# Altium PCB IIS_PCB.PcbDoc (part 1 of 3) (continued)
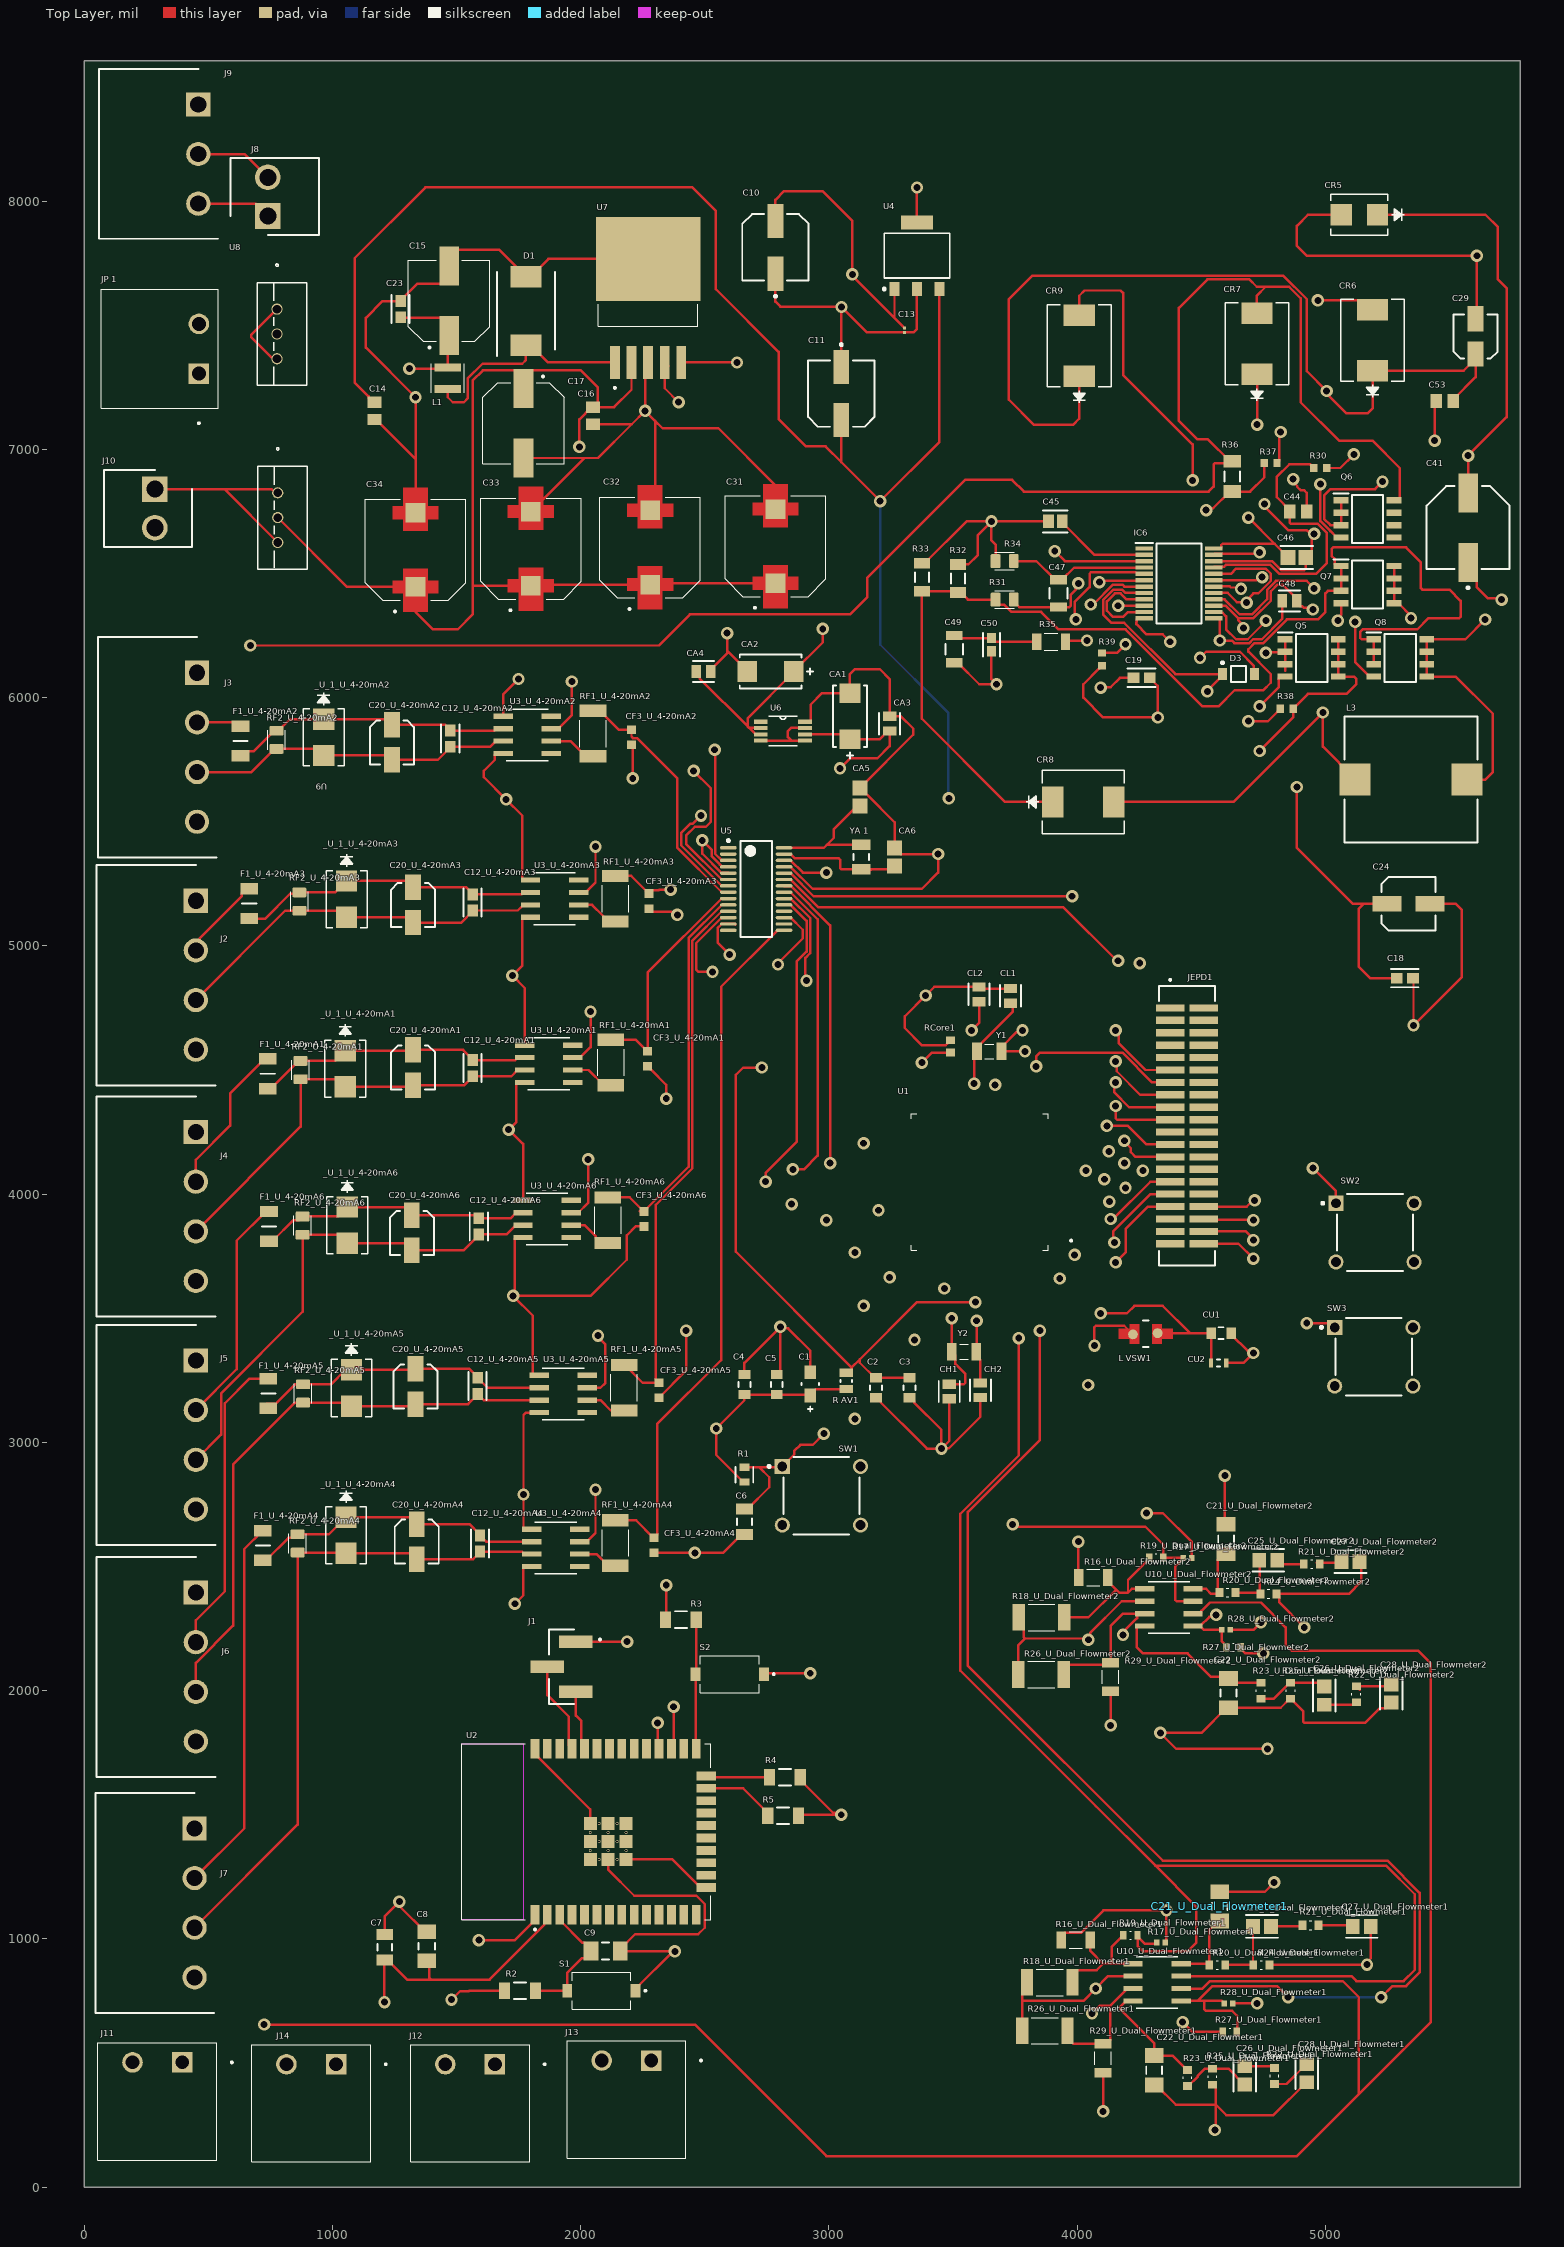
[diagram p0: Top Layer view]
## Components (designator, comment, footprint, x,y, rotation, side; value= is the part's Value field where it differs from the comment) (continued)
CH2 "C0805C220J1GACTU" FP-C0805C-DN-MFG 3610,3210 r90 top value="22 pF"
CL1 "C0805C220J1GACTU" FP-C0805C-DN-MFG 3731.83,4798.52 r270 top value="22 pF"
CL2 "C0805C220J1GACTU" FP-C0805C-DN-MFG 3605,4805 r270 top value="22 pF"
CR5 "1KSMB39CA" 1KSMBSeries_LTF 5137,7945 r180 top
CR6 "SS34-E3/9AT" CR_3/9AT_VIS 5190,7440 r90 top
CR7 "SS34-E3/9AT" CR_3/9AT_VIS 4724.33,7425 r90 top
CR8 "SS34-E3/9AT" CR_3/9AT_VIS 4024.56,5580 r0 top
CR9 "SS34-E3/9AT" CR_3/9AT_VIS 4008.66,7417 r90 top
CU1 "CGA3E2X7R1H104K080AA" FP-CGA3E-0_3-0_1-IPC_A 4580,3440 r0 top
CU2 "TPCL475K010R5000" CAPC1609X100X15LL20 4570,3320 r180 top
D1 "SS34-E3_57T" DIOM7959X262N 1780,7557.8 r90 top
D3 "MMSZ4689T1G" ONSC-SOD-123-2-425-04_V 4650,6095 r0 top
F1_U_4-20mA1 "0ZCJ0005FF2E" FUSC3216X85N 740,4485 r270 top (schematic designator F1)
F1_U_4-20mA2 "0ZCJ0005FF2E" FUSC3216X85N 630,5825 r270 top (schematic designator F1)
F1_U_4-20mA3 "0ZCJ0005FF2E" FUSC3216X85N 665,5170 r270 top (schematic designator F1)
F1_U_4-20mA4 "0ZCJ0005FF2E" FUSC3216X85N 720,2585 r270 top (schematic designator F1)
F1_U_4-20mA5 "0ZCJ0005FF2E" FUSC3216X85N 742.08,3196.99 r270 top (schematic designator F1)
F1_U_4-20mA6 "0ZCJ0005FF2E" FUSC3216X85N 745,3870.16 r270 top (schematic designator F1)
IC6 "LTC3780EG#PBF" SOP65P780X200-24N 4410,6460 r0 top
J1 "TSM-103-01-T-SV-P-TR" SAMTEC_TSM-103-01-T-SV-P-TR 1923.37,2096.26 r90 top
J2 "1757268" SHDRRA4W103P0X508_1X4_2232X1200X875P 450,5181.72 r90 top
J3 "1757268" SHDRRA4W103P0X508_1X4_2232X1200X875P 455,6100 r90 top
J4 "1757268" SHDRRA4W103P0X508_1X4_2232X1200X875P 450,4250 r90 top
J5 "1757268" SHDRRA4W103P0X508_1X4_2232X1200X875P 450,3330 r90 top
J6 "1757268" SHDRRA4W103P0X508_1X4_2232X1200X875P 450,2395 r90 top
J7 "1757268" SHDRRA4W103P0X508_1X4_2232X1200X875P 445,1445 r90 top
J8 "26-48-1025" SHDR2W155P0X396_1X2_732X902X1468P 740,7940 r270 top
J9 "1757255" SHDRRA3W103P0X508_1X3_1724X1200X875P 460,8389.68 r90 top
J10 "26-48-1025" SHDR2W155P0X396_1X2_732X902X1468P 285,6840 r90 top
J11 "1757242" PHOENIX_1757242 295,345 r180 top
J12 "1757242" PHOENIX_1757242 1555,337.52 r180 top
J13 "1757242" PHOENIX_1757242 2185,352.52 r180 top
J14 "1757242" PHOENIX_1757242 915,337.52 r180 top
JEPD1 "TFM-120-02-L-D" SAMTEC_TFM-120-02-L-D 4442.48,4275 r270 top
"JP 1" "1757242" PHOENIX_1757242 305,7405.38 r90 top
L1 "LQH3NPH101MMEL" IND_LQH3NPH101MMEL 1465,7286.69 r90 top
L3 "IHLP5050CEER4R7M01" FP-IHLP-5050CE-FP_3_175x3-MFG 5345,5670 r0 top
"L VSW1" "LQH32MN4R7K23L" FP-LQH32CH_23-MFG 4276.67,3437.46 r0 top
Q5 "FDS5670" SOIC127P600X175-8N 4945,6160 r0 top
Q6 "FDS5670" SOIC127P600X175-8N 5170,6720 r0 top
Q7 "FDS5670" SOIC127P600X175-8N 5170,6455 r0 top
Q8 "FDS5670" SOIC127P600X175-8N 5301.77,6160 r0 top
R1 "CRCW060347K0FKEA" FP-CRCW0603-e3-MFG 2660,2870 r270 top
R2 "RP73D2B10KBTG" FP-RP732B-MFG 1755.85,791.26 r180 top value=10KΩ
R3 "RP73D2B10KBTG" FP-RP732B-MFG 2403.84,2286.26 r180 top value=10KΩ
R4 "RP73D2B10KBTG" FP-RP732B-MFG 2822.85,1651.26 r0 top value=10KΩ
R5 "RP73D2B10KBTG" FP-RP732B-MFG 2815.85,1496.26 r0 top value=10KΩ
R16_U_Dual_Flowmeter1 "RC1206JR-07100KL" RESC3116X65N 3995,995 r0 top (schematic designator R16)
R16_U_Dual_Flowmeter2 "RC1206JR-07100KL" RESC3116X65N 4065,2455 r0 top (schematic designator R16)
R17_U_Dual_Flowmeter1 "RC0402FR-073K3P" RESC1005X40N 4337.99,985 r180 top (schematic designator R17)
R17_U_Dual_Flowmeter2 "RC0402FR-073K3P" RESC1005X40N 4445,2535 r180 top (schematic designator R17)
R18_U_Dual_Flowmeter1 "CRS2010AFX-1001ELF" RESC5025X70N 3890,825 r0 top (schematic designator R18)
R18_U_Dual_Flowmeter2 "CRS2010AFX-1001ELF" RESC5025X70N 3856.54,2295 r0 top (schematic designator R18)
R19_U_Dual_Flowmeter1 "ERJS03F1004V" RES_ERJS03F1004V 4215,1015 r0 top (schematic designator R19)
R19_U_Dual_Flowmeter2 "ERJS03F1004V" RES_ERJS03F1004V 4318.54,2535 r0 top (schematic designator R19)
R20_U_Dual_Flowmeter1 "CR0603-JW-512ELF" RESC1608X55N 4565,895 r0 top (schematic designator R20)
R20_U_Dual_Flowmeter2 "CR0603-JW-512ELF" RESC1608X55N 4605.71,2395 r0 top (schematic designator R20)
R21_U_Dual_Flowmeter1 "RT0603DRE072K21L" RESC1608X55N 4940,1055 r0 top (schematic designator R21)
R21_U_Dual_Flowmeter2 "RT0603DRE072K21L" RESC1608X55N 4945,2510 r0 top (schematic designator R21)
R22_U_Dual_Flowmeter1 "RT0603DRE072K21L" RESC1608X55N 4795,447.72 r90 top (schematic designator R22)
R22_U_Dual_Flowmeter2 "RT0603DRE072K21L" RESC1608X55N 5125,1985 r270 top (schematic designator R22)
R23_U_Dual_Flowmeter1 "CR0603-JW-512ELF" RESC1608X55N 4445,440 r90 top (schematic designator R23)
R23_U_Dual_Flowmeter2 "CR0603-JW-512ELF" RESC1608X55N 4740,2000 r90 top (schematic designator R23)
R24_U_Dual_Flowmeter1 "CR0603-JW-512ELF" RESC1608X55N 4742.28,895 r0 top (schematic designator R24)
R24_U_Dual_Flowmeter2 "CR0603-JW-512ELF" RESC1608X55N 4770.71,2390 r0 top (schematic designator R24)
R25_U_Dual_Flowmeter1 "CR0603-JW-512ELF" RESC1608X55N 4545,445 r270 top (schematic designator R25)
R25_U_Dual_Flowmeter2 "CR0603-JW-512ELF" RESC1608X55N 4860,2000 r270 top (schematic designator R25)
R26_U_Dual_Flowmeter1 "CRS2010AFX-1001ELF" RESC5025X70N 3870,630 r180 top (schematic designator R26)
R26_U_Dual_Flowmeter2 "CRS2010AFX-1001ELF" RESC5025X70N 3855,2065 r180 top (schematic designator R26)
R27_U_Dual_Flowmeter1 "ERJS03F1004V" RES_ERJS03F1004V 4615,625 r180 top (schematic designator R27)
R27_U_Dual_Flowmeter2 "ERJS03F1004V" RES_ERJS03F1004V 4630,2175 r0 top (schematic designator R27)
R28_U_Dual_Flowmeter1 "RC0402FR-073K3P" RESC1005X40N 4610,740 r180 top (schematic designator R28)
R28_U_Dual_Flowmeter2 "RC0402FR-073K3P" RESC1005X40N 4600,2245 r180 top (schematic designator R28)
R29_U_Dual_Flowmeter1 "RC1206JR-07100KL" RESC3116X65N 4105,520 r90 top (schematic designator R29)
R29_U_Dual_Flowmeter2 "RC1206JR-07100KL" RESC3116X65N 4135,2055 r90 top (schematic designator R29)
R30 "ERJ3EKF1002V" RESC1609X55X30LL15T15 4979.41,6925 r180 top
R31 "CRGS0805J100R" RESC2012X65N 3708.19,6395 r0 top
R32 "ERJ8BWFR018V" RESC3216X70X50NL05T20 3520,6480 r90 top
R33 "ERJ8BWFR018V" RESC3216X70X50NL05T20 3375,6485 r90 top
R34 "CRGS0805J100R" RESC2012X65N 3708.19,6550 r0 top
R35 "RC1206JR-07100KL" RESC3116X65N 3895,6225 r180 top
R36 "CRCW1206294KFKEA" RESC3216X60X45ML10T20 4625,6891.02 r90 top
R37 "ERJ3EKF1002V" RESC1609X55X30LL15T15 4779.41,6945 r180 top
R38 "ERJ3EKF1002V" RESC1609X55X30LL15T15 4844.41,5955 r180 top
R39 "ERJ3EKF1002V" RESC1609X55X30LL15T15 4100,6154.41 r270 top
"R AV1" "CRCW08050000Z0EA" RESC2013X50X30LL20T20 3070,3247.48 r270 top
RCore1 "CRCW060391K0FKEA" RESC1609X50X30NL10T20 3490,4595 r270 top
RF1_U_4-20mA1 "CRS2010AFX-1001ELF" RESC5025X70N 2122.08,4530 r90 top (schematic designator RF1)
RF1_U_4-20mA2 "CRS2010AFX-1001ELF" RESC5025X70N 2050,5855 r90 top (schematic designator RF1)
RF1_U_4-20mA3 "CRS2010AFX-1001ELF" RESC5025X70N 2140,5190 r90 top (schematic designator RF1)
RF1_U_4-20mA4 "CRS2010AFX-1001ELF" RESC5025X70N 2140,2595 r90 top (schematic designator RF1)
RF1_U_4-20mA5 "CRS2010AFX-1001ELF" RESC5025X70N 2175,3220 r90 top (schematic designator RF1)
RF1_U_4-20mA6 "CRS2010AFX-1001ELF" RESC5025X70N 2110,3895 r90 top (schematic designator RF1)
RF2_U_4-20mA1 "CRGS0805J100R" RESC2012X65N 872.08,4500 r270 top (schematic designator RF2)
RF2_U_4-20mA2 "CRGS0805J100R" RESC2012X65N 775,5830 r270 top (schematic designator RF2)
RF2_U_4-20mA3 "CRGS0805J100R" RESC2012X65N 867.08,5178.49 r270 top (schematic designator RF2)
RF2_U_4-20mA4 "CRGS0805J100R" RESC2012X65N 860,2593.19 r270 top (schematic designator RF2)
RF2_U_4-20mA5 "CRGS0805J100R" RESC2012X65N 882.08,3196.99 r270 top (schematic designator RF2)
RF2_U_4-20mA6 "CRGS0805J100R" RESC2012X65N 880,3873.19 r270 top (schematic designator RF2)
S1 "ATS2D3G_NC_LFG" SW_ATS2D3G_NC_LFG 2083.64,791.26 r180 top
S2 "ATS2D3G_NC_LFG" SW_ATS2D3G_NC_LFG 2600.85,2066.26 r180 top
SW1 "ESE-20C421" FP-ESE-20C421-MFG 2970,2785 r0 top
SW2 "ESE-20C421" FP-ESE-20C421-MFG 5200,3845 r0 top
SW3 "ESE-20C421" FP-ESE-20C421-MFG 5195,3345 r0 top
U1 "MSP432P401RIPZR" QFP50P1600X1600X160-100N 3608.03,4048.74 r180 top
U2 "ESP32-WROOM-32D" MODULE_ESP32-WROOM-32D 2022.93,1431.61 r90 top
U3_U_4-20mA1 "LT1990ACS8PBF" SO-8_S 1872.08,4525 r0 top (schematic designator U3)
U3_U_4-20mA2 "LT1990ACS8PBF" SO-8_S 1785,5850 r0 top (schematic designator U3)
U3_U_4-20mA3 "LT1990ACS8PBF" SO-8_S 1895,5190 r0 top (schematic designator U3)
U3_U_4-20mA4 "LT1990ACS8PBF" SO-8_S 1900,2575 r0 top (schematic designator U3)
U3_U_4-20mA5 "LT1990ACS8PBF" SO-8_S 1930,3195 r0 top (schematic designator U3)
U3_U_4-20mA6 "LT1990ACS8PBF" SO-8_S 1865,3900 r0 top (schematic designator U3)
U4 "LT1121CST-3.3#TRPBF" LT-ST-3-SOT-223_N 3355,7780 r90 top
U5 "AD7718BRUZ" RU-28_N 2707.2,5228.98 r0 top
U6 "LTC6652AHMS8-2.5PBF" SOP65P490X110-8N 2815,5865 r0 top
U7 "LM2595S-5.0" VREG_TPS79625KTTR 2271.93,7767.32 r90 top
U8 "VF30100S-M3/4W" TO_0S-M3/4W_VIS 777.18,7565 r270 top
U9 "VF30100S-M3/4W" TO_0S-M3/4W_VIS 780,6825 r270 top
U10_U_Dual_Flowmeter1 "LT1017IS8PBF" SO-8_S 4322,825 r0 top (schematic designator U10)
U10_U_Dual_Flowmeter2 "LT1017IS8PBF" SO-8_S 4370,2335 r0 top (schematic designator U10)
Y1 "ABS07-120-32.768KHZ-T" XTAL_ABS07-120-32.768KHZ-T 3645.79,4575 r180 top
Y2 "ABS07-120-32.768KHZ-T" XTAL_ABS07-120-32.768KHZ-T 3544.21,3365 r180 top
"YA 1" "ABS07-32.768KHz-T" FP-ABS07-MFG 3130,5357.83 r270 top

## Footprints (in the part's own frame and the unit in brackets; to place one, negate y for a bottom-side part, rotate by r counter-clockwise, add the part's x,y. Pads: shape width x height; smd on the part's side, far side on the other; paste and mask are expansions set on the pad)
1KSMBSeries_LTF [mil]
  rect 86x86 smd paste+0 mask+0: 1(-73,0) 2(73,0)
  silkscreen extent -180,-82 115,83, body extent -110,-77 110,77, height 98
CAP_EEEFT1E102UV [mm]
  rect 2x2 smd paste-2 mask+0: 1(-3.8,0) 2(3.8,0)
  Top Layer region: -3.15,1.25 -1.95,1.25 -1.95,-1.25 -3.15,-1.25 -3.15,-2.35 -4.45,-2.35 -4.45,-1.25 -6.35,-1.25 -6.35,1.25 -4.45,1.25 -4.45,2.35 -3.15,2.35
  Top Layer region: 4.45,1.25 6.35,1.25 6.35,-1.25 4.45,-1.25 4.45,-2.35 3.15,-2.35 3.15,-1.25 1.95,-1.25 1.95,1.25 3.15,1.25 3.15,2.35 4.45,2.35
  silkscreen extent -6.4,-5.15 5.15,5.15, body extent -5.85,-5.15 5.85,5.15, height 9.5
CAP_EEEHA1V470AP [mm]
  rect 4x2 smd: 1(-3.55,0) 2(3.55,0)
  silkscreen extent -4.9,-4.15 4.15,4.15, body extent -4.85,-4.15 4.85,4.15, height 10.2
CAPC0402X22N [mm]
  rect 0.29x0.3 smd: 1(-0.222,0) 2(0.222,0)
  body extent -0.2,-0.1 0.2,0.1, height 0.22
CAPC1608X90N [mm]
  rect 0.89x0.93 smd: 1(-0.77,0) 2(0.77,0)
  body extent -0.8,-0.4 0.8,0.4, height 0.9
CAPC1609X100X15LL20 [mm] "Chip Capacitor, 2-Leads, Body 1.60x0.85mm, IPC High Density"
  rect 0.45x0.95 smd: 1(-0.775,0) 2(0.775,0)
  silkscreen extent -0.15,-0.38 0.15,0.38, body extent -0.9,-0.53 0.9,0.53, height 1
CAPC2012X88N [mm]
  rect 1.16x1.47 smd: 1(-0.875,0) 2(0.875,0)
  body extent -1,-0.63 1,0.63, height 0.88
CAPC2013X71X50ML20T25 [mm] "Chip Capacitor, 2-Leads, Body 2.01x1.25mm, IPC Low Density"
  rect 1.55x1.55 smd: 1(-0.925,0) 2(0.925,0)
  body extent -1.1,-0.72 1.11,0.72, height 0.71
CAPC3216X102X50LL20T25 [mm] "Chip Capacitor, 2-Leads, Body 3.20x1.60mm, IPC High Density"
  rect 1.1x1.7 smd: 1(-1.3,0) 2(1.3,0)
  silkscreen extent -0.35,-0.75 0.35,0.75, body extent -1.7,-0.9 1.7,0.9, height 1.02
CAPC3216X229X50LL20T25 [mm] "Chip Capacitor, 2-Leads, Body 3.40x1.80mm, IPC High Density"
  rect 1.1x1.7 smd: 1(-1.3,0) 2(1.3,0)
  silkscreen extent -0.35,-0.75 0.35,0.75, body extent -1.7,-0.9 1.7,0.9, height 2.29
CR_3/9AT_VIS [mil]
  rect 86x126 smd paste+0 mask+0: 1(-123,0) 2(123,0)
  silkscreen extent -230,-128 165,128, body extent -160,-123 160,123, height 105
DIOM7959X262N [mm]
  rect 2.2x3.15 smd: 1(-3.5,0) 2(3.5,0)
  silkscreen extent -4.6,-2.95 3.97,2.95, body extent -3.97,-2.95 3.97,2.95, height 2.62
FP-ABS07-MFG [mm]
  rect 1.1x1.9 smd paste+0 mask+0: 1(-1.25,0) 2(1.25,0)
  silkscreen extent -0.33,-0.8 0.33,0.8, body extent -1.9,-1.05 1.9,1.05, height 0.25
FP-C0603C-CF-IPC_A [mil]
  rect 47.5x41.66 smd paste+0 mask+0: 1(-32.51,0) 2(32.51,0)
  silkscreen extent -56,-37 56,37, body extent -76,-41 76,41, height 10
FP-C0805C-DN-IPC_A [mil]
  rect 59.24x61.27 smd paste+0 mask+0: 1(-35.46,0) 2(35.46,0)
  silkscreen extent -65,-46 65,46, body extent -85,-50 85,50, height 10
FP-C0805C-DN-MFG [mm]
  rect 0.95x1.35 smd paste+0 mask+0: 1(-0.75,0) 2(0.75,0)
  silkscreen extent -1.1,-1.07 1.1,1.07, body extent -1.4,-0.85 1.4,0.85, height 0.25
FP-C1206C-EB-IPC_A [mil]
  rect 59.24x75.05 smd paste+0 mask+0: 1(-59.09,0) 2(59.09,0)
  silkscreen extent -15,-31 15,31, body extent -108,-57 108,57, height 10
FP-C1206C-EB-MFG [mm]
  rect 0.95x1.7 smd paste+0 mask+0: 1(-1.4,0) 2(1.4,0)
  silkscreen extent -0.55,-0.9 0.55,0.9, body extent -2,-1 2,1, height 0.25
FP-CC0603-DA-IPC_B [mil]
  rect 41.66x35.91 smd paste+0 mask+0: 1(-26.65,0) 2(26.65,0)
  silkscreen extent -47,-34 47,34, body extent -57,-28 57,28, height 10
FP-CC0805-0_85-IPC_C [mil]
  rect 43.49x53.39 smd paste+0 mask+0: 1(-27.59,0) 2(27.59,0)
  silkscreen extent -49,-44 49,44, body extent -53,-32 53,32, height 10
FP-CGA3E-0_3-0_1-IPC_A [mm]
  rect 0.956x1.206 smd paste+0 mask+0: 1(-1.025,0) 2(1.025,0)
  silkscreen extent -0.25,-0.6 0.25,0.6, body extent -2,-1.1 2,1.1, height 0.25
FP-CRCW0603-e3-MFG [mm]
  rect 0.75x1 smd paste+0 mask+0: 1(-0.75,0) 2(0.75,0)
  silkscreen extent -0.8,-0.9 0.8,0.9, body extent -1.22,-0.6 1.22,0.6, height 0.25
FP-ESE-20C421-MFG [mm]
  rect 1.55x1.55 hole 1 paste-1000 mask+0: a(-4,3)
  round 1.55 hole 1 paste-1000 mask+0: b(-4,-3) c(4,3) d(4,-3)
  silkscreen extent -5.47,-3.95 3.9,3.95, body extent -4.87,-4.05 4.87,4.05, height 0.25
FP-GRM21B-0_15-IPC_A [mil]
  rect 55.34x59.38 smd paste+0 mask+0: 1(-36.47,0) 2(36.47,0)
  silkscreen extent -64,-45 64,45, body extent -84,-49 84,49, height 10
FP-HAF-MFG [mm]
  rect 4x2 smd paste+0 mask+0: 1(-3.55,0) 2(3.55,0)
  silkscreen extent -6.27,-4.25 4.25,4.25, body extent -5.8,-4.5 5.8,4.5, height 0.25
FP-IHLP-5050CE-FP_3_175x3-MFG [mm]
  rect 3.175x3.3 smd paste+0 mask+0: 1(-5.715,0) 2(5.715,0)
  silkscreen extent -6.79,-6.45 6.79,6.45, body extent -7.4,-6.55 7.4,6.55, height 0.25
FP-LQH32CH_23-MFG [mil]
  round 39.16 smd paste+0 mask+0: 1(-51.67,-2.46)
  round 39.86 smd paste+0 mask+0: 2(47.74,2.46)
  Top Layer region: 25.59,-39.37 25.59,39.37 64.96,39.37 64.96,19.68 108.27,19.68 108.27,-19.69 64.96,-19.69 64.96,-39.37
  Top Layer region: -64.96,-39.37 -64.96,-19.69 -108.27,-19.69 -108.27,19.68 -64.96,19.68 -64.96,39.37 -25.59,39.37 -25.59,-39.37
  silkscreen extent -11,-53 11,53, body extent -112,-57 112,57, height 10
FP-RP732B-MFG [mm]
  rect 1.15x1.7 smd paste+0 mask+0: 1(-1.575,0) 2(1.575,0)
  silkscreen extent -0.63,-0.85 0.63,0.85, body extent -2.25,-0.95 2.25,0.95, height 0.25
FP-T491C476K016AT-MFG [mm]
  rect 1.99x2.13 smd paste+0 mask+0: 1(-2.36,0) 2(2.36,0)
  silkscreen extent -3.15,-1.75 4.33,1.75, body extent -3.48,-1.87 3.48,1.87, height 0.25
FP-T520A106M010ATE080-MFG [mm]
  rect 1.42x1.13 smd paste+0 mask+0: 1(-1.2,0) 2(1.2,0)
  silkscreen extent -0.12,-0.9 2.8,0.9, body extent -2.03,-1.02 2.03,1.02, height 0.25
FP-UUR1C221MCL6GS-MFG [mm]
  rect 3.5x1.6 smd paste+0 mask+0: 1(-2.7,0) 2(2.7,0)
  silkscreen extent -5.12,-3.4 3.4,3.4, body extent -4.7,-3.65 4.7,3.65, height 0.25
FUSC3216X85N [mm]
  rect 1.17x1.82 smd: 1(-1.52,0) 2(1.52,0)
  silkscreen extent 0,-0.72 0,0.72, body extent -1.63,-0.82 1.63,0.82, height 0.85
IND_LQH3NPH101MMEL [mm]
  rect 0.8x2.7 smd: 1(-1.1,0) 2(1.1,0)
  silkscreen extent -1.5,-1.67 1.5,1.67, body extent -1.5,-1.5 1.5,1.5, height 1.5
KEMT-1206-2_M [mm] "SMD, 2-Leads, Body 3.4x1.8mm, IPC Low Density"
  rect 1.5x1.9 smd: 1(-1.5,0) 2(1.5,0)
  silkscreen extent -0.35,-0.85 0.35,0.85, body extent -1.7,-0.9 1.7,0.9, height 0.88
LT-ST-3-SOT-223_N [mm] "SOT223, 4-Leads, Body 6.505x3.505mm, Pitch 2.3mm, IPC Medium Density"
  rect 1.4x1 smd: 1(-3.4,2.3) 2(-3.4,0) 3(-3.4,-2.3)
  rect 1.4x3.25 smd: 4(3.4,0)
  silkscreen extent -3.52,-3.35 2.3,3.47, body extent -1.86,-3.35 1.86,3.35, height 1.8
MODULE_ESP32-WROOM-32D [mm]
  rect 2x0.9 smd: 1(-8.5,5.26) 2(-8.5,3.99) 3(-8.5,2.72) 4(-8.5,1.45) 5(-8.5,0.18) 6(-8.5,-1.09) 7(-8.5,-2.36) 8(-8.5,-3.63) 9(-8.5,-4.9) 10(-8.5,-6.17) 11(-8.5,-7.44) 12(-8.5,-8.71) 13(-8.5,-9.98) 14(-8.5,-11.25) 25(8.5,-11.25) 26(8.5,-9.98) 27(8.5,-8.71) 28(8.5,-7.44) 29(8.5,-6.17) 30(8.5,-4.9) 31(8.5,-3.63) 32(8.5,-2.36) 33(8.5,-1.09) 34(8.5,0.18) 35(8.5,1.45) 36(8.5,2.72) 37(8.5,3.99) 38(8.5,5.26)
  rect 0.9x2 smd: 15(-5.715,-12.25) 16(-4.445,-12.25) 17(-3.175,-12.25) 18(-1.905,-12.25) 19(-0.635,-12.25) 20(0.635,-12.25) 21(1.905,-12.25) 22(3.175,-12.25) 23(4.445,-12.25) 24(5.715,-12.25)
  rect 1.33x1.33 smd: 39_1(-2.835,-0.405) 39_2(-1,-0.405) 39_3(0.835,-0.405) 39_4(-2.835,-2.24) 39_5(-1,-2.24) 39_6(0.835,-2.24) 39_7(-2.835,-4.075) 39_8(-1,-4.075) 39_9(0.835,-4.075)
  round 0.3 hole 0.2: 39_10(-1.917,-0.405) 39_11(-0.082,-0.405) 39_12(-2.835,-1.322) 39_13(-1,-1.322) 39_14(0.835,-1.322) 39_15(-1.917,-2.24) 39_16(-0.082,-2.24) 39_17(-2.835,-3.157) 39_18(-1,-3.157) 39_19(0.835,-3.157) 39_20(-1.917,-4.075) 39_21(-0.082,-4.075)
  Keep-Out Layer region: 9,6.45 -9,6.45 -9,12.75 9,12.75
  Keep-Out Layer region: 9,6.45 -9,6.45 -9,12.75 9,12.75
  silkscreen extent -10.1,-12.75 9,12.75
NIC-CAPA2-4X5.8_V [mm] "Aluminum Electrolytic Capacitor, Diameter 4mm, Height 6.1mm, Pitch 3.6mm"
  rect 2.6x1.6 smd: 1(-1.8,0) 2(1.8,0)
  silkscreen extent -2.25,-2.25 2.25,2.25, body extent -2,-1.98 2,2, height 6.1
NIC-CAPA2-5X5.8_V [mm] "Aluminum Electrolytic Capacitor, Diameter 5mm, Height 6.1mm, Pitch 4.4mm"
  rect 3x1.6 smd: 1(-2.2,0) 2(2.2,0)
  silkscreen extent -2.75,-2.75 2.75,2.75, body extent -2.5,-2.48 2.49,2.5, height 6.1
ONSC-SOD-123-2-425-04_V [mm] "SOD, 2-Leads, Body 2.69x1.6mm"
  rect 0.91x1.22 smd: 1(-1.635,0) 2(1.635,0)
  silkscreen extent -1.76,-0.8 0.78,1.28, body extent -1.35,-0.8 1.35,0.8, height 1.35
PHOENIX_1757242 [mm]
  rect 2.1x2.1 hole 1.4: 1(-2.54,-4)
  round 2.1 hole 1.4: 2(2.54,-4)
  silkscreen extent -7.72,-6 6.08,6, body extent -6,-6.04 6,6.04, height 8.6
QFP50P1600X1600X160-100N [mm]
  rrect25% 1.47x0.28 on Mid1: 1(-7.67,6) 2(-7.67,5.5) 3(-7.67,5) 4(-7.67,4.5) 5(-7.67,4) 6(-7.67,3.5) 7(-7.67,3) 8(-7.67,2.5) 9(-7.67,2) 10(-7.67,1.5) 11(-7.67,1) 12(-7.67,0.5) 13(-7.67,0) 14(-7.67,-0.5) 15(-7.67,-1) 16(-7.67,-1.5) 17(-7.67,-2) 18(-7.67,-2.5) 19(-7.67,-3) 20(-7.67,-3.5) 21(-7.67,-4) 22(-7.67,-4.5) 23(-7.67,-5) 24(-7.67,-5.5) 25(-7.67,-6) 51(7.67,-6) 52(7.67,-5.5) 53(7.67,-5) 54(7.67,-4.5) 55(7.67,-4) 56(7.67,-3.5) 57(7.67,-3) 58(7.67,-2.5) 59(7.67,-2) 60(7.67,-1.5) 61(7.67,-1) 62(7.67,-0.5) 63(7.67,0) 64(7.67,0.5) 65(7.67,1) 66(7.67,1.5) 67(7.67,2) 68(7.67,2.5) 69(7.67,3) 70(7.67,3.5) 71(7.67,4) 72(7.67,4.5) 73(7.67,5) 74(7.67,5.5) 75(7.67,6)
  rrect25% 0.28x1.47 on Mid1: 26(-6,-7.67) 27(-5.5,-7.67) 28(-5,-7.67) 29(-4.5,-7.67) 30(-4,-7.67) 31(-3.5,-7.67) 32(-3,-7.67) 33(-2.5,-7.67) 34(-2,-7.67) 35(-1.5,-7.67) 36(-1,-7.67) 37(-0.5,-7.67) 38(0,-7.67) 39(0.5,-7.67) 40(1,-7.67) 41(1.5,-7.67) 42(2,-7.67) 43(2.5,-7.67) 44(3,-7.67) 45(3.5,-7.67) 46(4,-7.67) 47(4.5,-7.67) 48(5,-7.67) 49(5.5,-7.67) 50(6,-7.67) 76(6,7.67) 77(5.5,7.67) 78(5,7.67) 79(4.5,7.67) 80(4,7.67) 81(3.5,7.67) 82(3,7.67) 83(2.5,7.67) 84(2,7.67) 85(1.5,7.67) 86(1,7.67) 87(0.5,7.67) 88(0,7.67) 89(-0.5,7.67) 90(-1,7.67) 91(-1.5,7.67) 92(-2,7.67) 93(-2.5,7.67) 94(-3,7.67) 95(-3.5,7.67) 96(-4,7.67) 97(-4.5,7.67) 98(-5,7.67) 99(-5.5,7.67) 100(-6,7.67)
  silkscreen extent -9.44,-7 7,7
RES_ERJS03F1004V [mm]
  rect 0.65x0.9 smd: 1(-0.725,0) 2(0.725,0)
  silkscreen extent -0.08,-0.4 0.08,0.4, body extent -0.8,-0.4 0.8,0.4, height 0.45
RESC1005X40N [mm]
  rect 0.54x0.6 smd: 1(-0.432,0) 2(0.432,0)
  body extent -0.5,-0.25 0.5,0.25, height 0.4
RESC1608X55N [mm]
  rect 0.79x0.93 smd: 1(-0.82,0) 2(0.82,0)
  silkscreen extent -0.11,-0.45 0.11,0.45, body extent -0.8,-0.4 0.8,0.4, height 0.55
RESC1609X50X30NL10T20 [mm] "Chip Resistor, 2-Leads, Body 1.55x0.85mm, IPC Medium Density"
  rect 0.8x0.95 smd: 1(-0.625,0) 2(0.625,0)
  body extent -0.82,-0.48 0.82,0.48, height 0.5
RESC1609X55X30LL15T15 [mm] "Chip Resistor, 2-Leads, Body 1.75x0.95mm, IPC High Density"
  rect 0.75x0.85 smd: 1(-0.65,0) 2(0.65,0)
  body extent -0.87,-0.48 0.87,0.48, height 0.55
RESC2012X65N [mm]
  rrect25% 1x1.42 smd: 1(-0.935,0) 2(0.935,0)
  silkscreen extent -1,-0.89 1,0.89, body extent -1,-0.63 1,0.63, height 0.6
RESC2013X50X30LL20T20 [mm] "Chip Resistor, 2-Leads, Body 2.00x1.25mm, IPC High Density"
  rect 0.85x1.35 smd: 1(-0.825,0) 2(0.825,0)
  silkscreen extent -0.1,-0.58 0.1,0.58, body extent -1.1,-0.72 1.1,0.72, height 0.5
RESC3116X65N [mm]
  rect 0.97x1.73 smd: 1(-1.48,0) 2(1.48,0)
  silkscreen extent -0.67,-0.85 0.67,0.85, body extent -1.55,-0.8 1.55,0.8, height 0.65
RESC3216X60X45ML10T20 [mm] "Chip Resistor, 2-Leads, Body 3.20x1.60mm, IPC Low Density"
  rect 1.3x1.8 smd: 1(-1.55,0) 2(1.55,0)
  silkscreen extent -0.5,-0.8 0.5,0.8, body extent -1.65,-0.85 1.65,0.85, height 0.6
RESC3216X70X50NL05T20 [mm] "Chip Resistor, 2-Leads, Body 3.20x1.60mm, IPC Medium Density"
  rect 1.1x1.65 smd: 1(-1.425,0) 2(1.425,0)
  silkscreen extent -0.5,-0.72 0.5,0.72, body extent -1.63,-0.82 1.62,0.82, height 0.7
RESC5025X70N [mm]
  rect 1.26x2.72 smd: 1(-2.325,0) 2(2.325,0)
  silkscreen extent -1.37,-1.35 1.37,1.35, body extent -2.5,-1.25 2.5,1.25, height 0.7
RU-28_N [mm] "TSOP, 28-Leads, Body 9.7x4.4mm, Pitch 0.65mm, IPC Medium Density"
  oval 1.7x0.35 smd: 1(-2.85,4.225) 2(-2.85,3.575) 3(-2.85,2.925) 4(-2.85,2.275) 5(-2.85,1.625) 6(-2.85,0.975) 7(-2.85,0.325) 8(-2.85,-0.325) 9(-2.85,-0.975) 10(-2.85,-1.625) 11(-2.85,-2.275) 12(-2.85,-2.925) 13(-2.85,-3.575) 14(-2.85,-4.225) 15(2.85,-4.225) 16(2.85,-3.575) 17(2.85,-2.925) 18(2.85,-2.275) 19(2.85,-1.625) 20(2.85,-0.975) 21(2.85,-0.325) 22(2.85,0.325) 23(2.85,0.975) 24(2.85,1.625) 25(2.85,2.275) 26(2.85,2.925) 27(2.85,3.575) 28(2.85,4.225)
  silkscreen extent -2.97,-4.9 1.6,5.07, body extent -2.25,-4.9 2.25,4.9, height 1.2
SAMTEC_TFM-120-02-L-D [mm]
  rect 0.74x2.92 smd: 01(-12.065,-1.715) 02(-12.065,1.715) 03(-10.795,-1.715) 04(-10.795,1.715) 05(-9.525,-1.715) 06(-9.525,1.715) 07(-8.255,-1.715) 08(-8.255,1.715) 09(-6.985,-1.715) 10(-6.985,1.715) 11(-5.715,-1.715) 12(-5.715,1.715) 13(-4.445,-1.715) 14(-4.445,1.715) 15(-3.175,-1.715) 16(-3.175,1.715) 17(-1.905,-1.715) 18(-1.905,1.715) 19(-0.635,-1.715) 20(-0.635,1.715) 21(0.635,-1.715) 22(0.635,1.715) 23(1.905,-1.715) 24(1.905,1.715) 25(3.175,-1.715) 26(3.175,1.715) 27(4.445,-1.715) 28(4.445,1.715) 29(5.715,-1.715) 30(5.715,1.715) 31(6.985,-1.715) 32(6.985,1.715) 33(8.255,-1.715) 34(8.255,1.715) 35(9.525,-1.715) 36(9.525,1.715) 37(10.795,-1.715) 38(10.795,1.715) 39(12.065,-1.715) 40(12.065,1.715)
  silkscreen extent -15.04,-2.86 14.29,2.86
SAMTEC_TSM-103-01-T-SV-P-TR [mm]
  rect 1.27x3.43 smd: 01(2.54,-1.46) 02(0,1.46) 03(-2.54,-1.46)
  silkscreen extent -3.81,-4.04 3.81,1.27
SHDR2W155P0X396_1X2_732X902X1468P [mm]
  rect 2.625x2.625 hole 1.75: 1(0,0)
  round 2.625 hole 1.75: 2(-3.96,0)
  silkscreen extent -5.91,-3.8 1.95,5.22, body extent -5.64,-4.51 1.68,4.51, height 14.68
SHDRRA3W103P0X508_1X3_1724X1200X875P [mm]
  rect 2.475x2.475 hole 1.65: 1(0,0)
  round 2.475 hole 1.65: 2(-5.08,0) 3(-10.16,0)
  silkscreen extent -13.75,-2 3.64,10.15, body extent -13.7,-2 3.54,10, height 8.75
SHDRRA4W103P0X508_1X4_2232X1200X875P [mm]
  rect 2.475x2.475 hole 1.65: 1(0,0)
  round 2.475 hole 1.65: 2(-5.08,0) 3(-10.16,0) 4(-15.24,0)
  silkscreen extent -18.88,-2 3.64,10.15, body extent -18.78,-2 3.54,10, height 8.75
SO-8_S [mil]
  rect 78x21 smd: 1(-97,75) 2(-97,25) 3(-97,-25) 4(-97,-75) 5(97,-75) 6(97,-25) 7(97,25) 8(97,75)
  silkscreen extent -84,-104 84,104, body extent -118,-96 118,96, height 69
SOIC127P600X175-8N [mm]
  rect 1.525x0.65 smd: 1(-2.712,1.905) 2(-2.712,0.635) 3(-2.712,-0.635) 4(-2.712,-1.905) 5(2.712,-1.905) 6(2.712,-0.635) 7(2.712,0.635) 8(2.712,1.905)
  silkscreen extent -3.47,-2.45 1.6,2.58, body extent -3,-2.45 3,2.45, height 1.75
SOP65P490X110-8N [mil]
  rect 55x17 smd: 1(-89,38) 2(-89,13) 3(-89,-13) 4(-89,-38) 5(89,-38) 6(89,-13) 7(89,13) 8(89,38)
  silkscreen extent -57,-59 57,59
SOP65P780X200-24N [mm]
  rect 1.8x0.45 smd: 1(-3.55,3.575) 2(-3.55,2.925) 3(-3.55,2.275) 4(-3.55,1.625) 5(-3.55,0.975) 6(-3.55,0.325) 7(-3.55,-0.325) 8(-3.55,-0.975) 9(-3.55,-1.625) 10(-3.55,-2.275) 11(-3.55,-2.925) 12(-3.55,-3.575) 13(3.55,-3.575) 14(3.55,-2.925) 15(3.55,-2.275) 16(3.55,-1.625) 17(3.55,-0.975) 18(3.55,-0.325) 19(3.55,0.325) 20(3.55,0.975) 21(3.55,1.625) 22(3.55,2.275) 23(3.55,2.925) 24(3.55,3.575)
  silkscreen extent -4.45,-4.1 2.3,4.15, body extent -3.9,-4.1 3.9,4.1, height 2
SW_ATS2D3G_NC_LFG [mm]
  rect 1x1.4 smd: 1(-3.5,0) 2(3.5,0)
  silkscreen extent -4.6,-1.9 3,1.9
TO_0S-M3/4W_VIS [mil]
  round 45 hole 35 mask+0: 1(0,0) 2(100,0) 3(200,0)
  silkscreen extent -182,-80 307,120, body extent -102,-60 302,130, height 635
VREG_TPS79625KTTR [mm]
  rect 3.4x1 smd paste-3 mask+0: 1(-10.6,3.4) 2(-10.6,1.7) 3(-10.6,0) 4(-10.6,-1.7) 5(-10.6,-3.4)
  rect 8.6x10.7 smd paste-6 mask+0: 6(0,0)
  silkscreen extent -13.3,-5.08 -4.62,5.08, body extent -11.24,-5.08 3.11,5.08, height 4.8
XTAL_ABS07-120-32.768KHZ-T [mm]
  rect 1x1.8 smd: 1(-1.25,0) 2(1.25,0)
  silkscreen extent -0.45,-0.75 0.45,0.75

## Part data
_U_1_U_4-20mA1 _U_1_U_4-20mA2 _U_1_U_4-20mA3 _U_1_U_4-20mA4 _U_1_U_4-20mA5 _U_1_U_4-20mA6: "No Description Available", Mfr_Name="Littelfuse Inc", Supplier Part Number 1=F11451CT-ND, Copyright="Copyright (C) 2021 Ultra Librarian. All rights reserved.", Digi-Key_Part_Number_1=1KSMB39CA-ND, Digi-Key_Part_Number_2=F11451CT-ND, Digi-Key_Part_Number_3=F11451DKR-ND, Digi-Key_Part_Number_4=F11451TR-ND, Manufacturer_Part_Number=1KSMB39CA, RefDes=RefDes, Supplier 1=Digi-Key, Type=DEV
C1: library part CMP-03017-000030-1, "CAP TANT POLY 10UF 10V 1206", Capacitance=10uF, Case Code (Imperial)=1206, Case Code (Metric)=3216, Dielectric Material=Tantalum, ESR (Equivalent Series Resistance)=80mR, Leakage Current=10uA, Max Operating Temperature=105°C, Min Operating Temperature=-55°C, Package Quantity=1, Tolerance=20%, Voltage=10V, Case/Package=1206, Construction=Flat, Depth=1.6mm, Dissipation Factor=8%, Features="General Purpose", Height=1.6mm, Height - Seated (Max)=0.071inch, Lead Free="Lead Free", Length=3.2mm, Life (Hours)=2000Hour, Mount="Surface Mount", Packaging="Tape and Reel", Polarity=Polar, Radiation Hardening=No, REACH SVHC="No SVHC", RoHS Compliant=Yes, Series="KO-CAP T520", Termination=SMD/SMT, Voltage Rating=10V, Voltage Rating (DC)=10V, Width=1.6mm
C2 C3 C4 C5 CU1: library part CMP-2000-07546-2, "Cap Ceramic 100nF 50V X7R 10% Pad SMD 0603 +125°C Automotive T/R", Capacitance=100nF, Case Code (Imperial)=0603, Case Code (Metric)=1608, Dielectric=X7R, Max Operating Temperature=125°C, Min Operating Temperature=-55°C, Package Quantity=1, Ratings=AEC-Q200, Tolerance=10%, Voltage=50V, Case/Package=0603, Composition=Ceramic, Depth=0.8mm, Height=0.8mm, Lead Free="Lead Free", Length=1.6mm, Mount="Surface Mount", Packaging="Tape and Reel", Radiation Hardening=No, REACH SVHC="No SVHC", Termination=SMD/SMT, Thickness=0.035inch, Voltage Rating=50V, Voltage Rating (DC)=50V, Weight=7.1E-05oz, Width=0.8mm
C6: library part CMP-1037-02486-2, "Chip Capacitor, 1 nF, +/- 10%, 500 V, -55 to 125 degC, 1206 (3216 Metric), RoHS, Tape and Reel", Capacitance=1nF, Case Size/Dimension=1206, Dielectric=X7R, Manufacturer=AVX, Package Description="2-Pin Surface Mount Device, Body 3.2 x 1.6 mm", Rated Voltage=500V, Tolerance (%)=±10%, Datasheet URL=http://datasheets.avx.com/X7RDielectric.pdf, Datasheet Version=07/2016, Manufacturer URL=http://www.avx.com/, Mounting Technology=SurfaceMount, Package Reference=1206
C7: library part CMP-2000-05863-1, "Chip Capacitor, 10 uF, +/- 10%, 25 V, -55 to 85 degC, 1206 (3216 Metric), RoHS, Tape and Reel", Capacitance=10µF, Case Size/Dimension=1206, Dielectric=X5R, Manufacturer=AVX, Package Description="2-Pin Surface Mount Device, Body 3.2 x 1.6 mm", Rated Voltage=25V, Tolerance (%)=±10%, Datasheet URL=http://datasheets.avx.com/cx5r.pdf, Datasheet Version=05/2016, Manufacturer URL=http://www.avx.com/, Mounting Technology=SurfaceMount, Package Reference=1206
C8 C9: library part CMP-1037-04202-2, "CAP, Ceramic, 0.1 uF, +/- 10%, 50 V, -55 to 125 degC, 1206 (3216 Metric), RoHS, Tape and Reel", Capacitance=0.1µF, Capacitance Tolerance=±10%, Capacitor Case Style=1206[3216Metric], Dielectric Characteristic=X7R, Manufacturer=Kemet, Operating Temperature Max=125degC, Operating Temperature Min=-55degC, Package Description="2-Leads SMD, Body 3.2 x 1.6 mm", Package Reference=1206-2, Voltage Rating=50V, Datasheet URL=https://datasheet.ciiva.com/6125/1725438-6125494.pdf, Datasheet Version=Jul-13, Manufacturer URL=http://www.kemet.com/, Packaging=Tape&Reel, Product Range=KEMET-CSeries, SVHC=ToBeAdvised
C10 C11: "Cap Aluminum Lytic 220uF 16V 20% (6.3 X 7.7mm) SMD 162mA 2000h 85C T/R", Capacitance=220uF, Case/Package=Radial, Leakage Current=16.5uA, Manufacturer=Nichicon, Max Operating Temperature=85°C, Min Operating Temperature=-40°C, Package Quantity=900, Ripple Current=162mA, Supplier Part Number 1=647-UUR1C221MCL6GS, Tolerance=20%, Voltage Rating=16V, Category="Aluminum Electrolytic Capacitors", ComponentLink1Description=https://datasheet.ciiva.com/6328/e-ur-6328141.pdf?src-supplier=Digi-Key, ComponentLink1URL=https://datasheet.ciiva.com/6328/e-ur-6328141.pdf?src-supplier=Digi-Key, ComponentLink2Description=https://datasheet.ciiva.com/6328/e-ur-6328143.pdf?src-supplier=Digi-Key, ComponentLink2URL=https://datasheet.ciiva.com/6328/e-ur-6328143.pdf?src-supplier=Digi-Key, ComponentLink3Description=https://datasheet.ciiva.com/11686/e-ur-11686685.pdf?src-supplier=Avnet, ComponentLink3URL=https://datasheet.ciiva.com/11686/e-ur-11686685.pdf?src-supplier=Avnet, ComponentLink4Description=https://datasheet.ciiva.com/16502/e-ur-16502798.pdf?src-supplier=Future+Electronics, ComponentLink4URL=https://datasheet.ciiva.com/16502/e-ur-16502798.pdf?src-supplier=Future+Electronics, ComponentLink5Description=https://datasheet.ciiva.com/17526/e-ur-17526773.pdf?src-supplier=Avnet+Europe, ComponentLink5URL=https://datasheet.ciiva.com/17526/e-ur-17526773.pdf?src-supplier=Avnet+Europe, Construction=Cylindrical, Diameter=6.3mm, Dissipation Factor=0.2%, Features="General Purpose", Height=7.7mm, Height - Seated (Max)=0.315inch, Lead Free="Lead Free", Length=7.7mm, Life (Hours)=2000Hour, Manufacturer Part Number=UUR1C221MCL6GS, Mount="Surface Mount", Packaging="Tape and Reel", Pricing 1="1=0.45000, 10=0.31200, 50=0.31200, 100=0.18700, 500=0.14100, 1000=0.14100, 10000=0.14100 (USD)", Radiation Hardening=No, RoHS=Yes, RoHS Compliant=Yes, Series=UR, Stock 1=78, Supplier 1=Mouser, Termination=SMD/SMT, Voltage Rating (DC)=16V